# Altium PCB FPGA_Board.PcbDoc (part 1 of 3)
Units mil, origin at the board's own origin, x right, y up, seen from the top; angles counter-clockwise.
Board outline 13780 x 3880 mil, 8 copper layers (L0, L1, L2, 3,3V, GND, L3, L4, L5), stack 40.468 mil thick; 246 components, 198 nets, 1060 pads, 536 vias.
Unrouted connection lines stored in the file: 133.
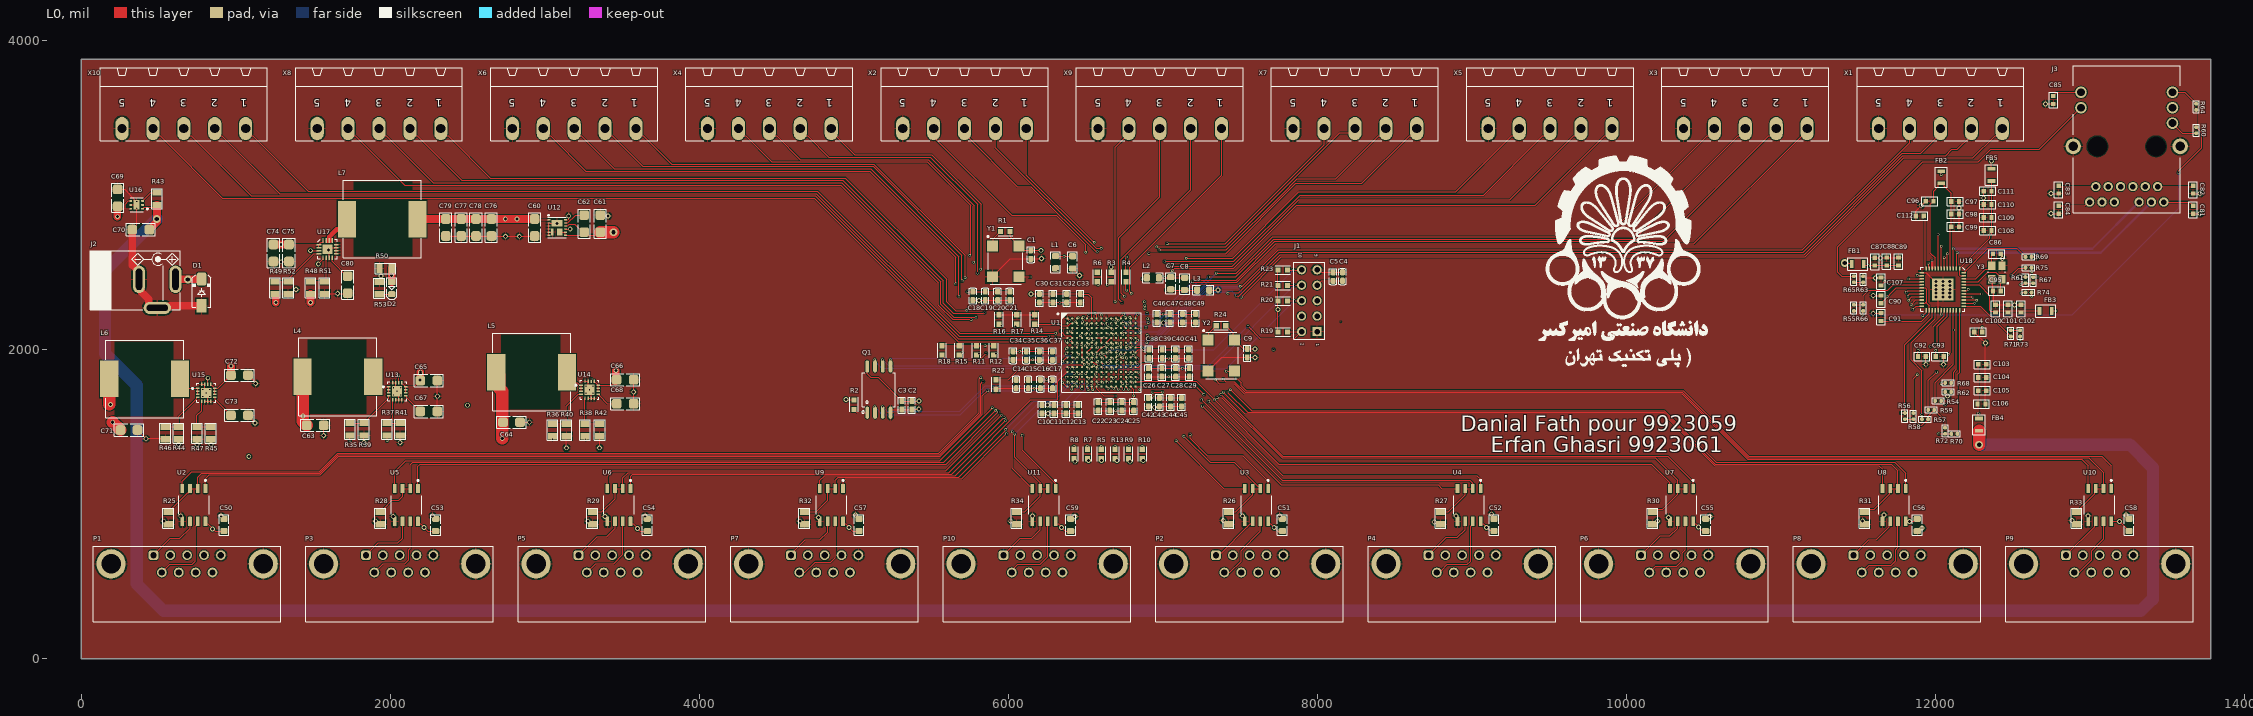
[diagram p0: L0 view]
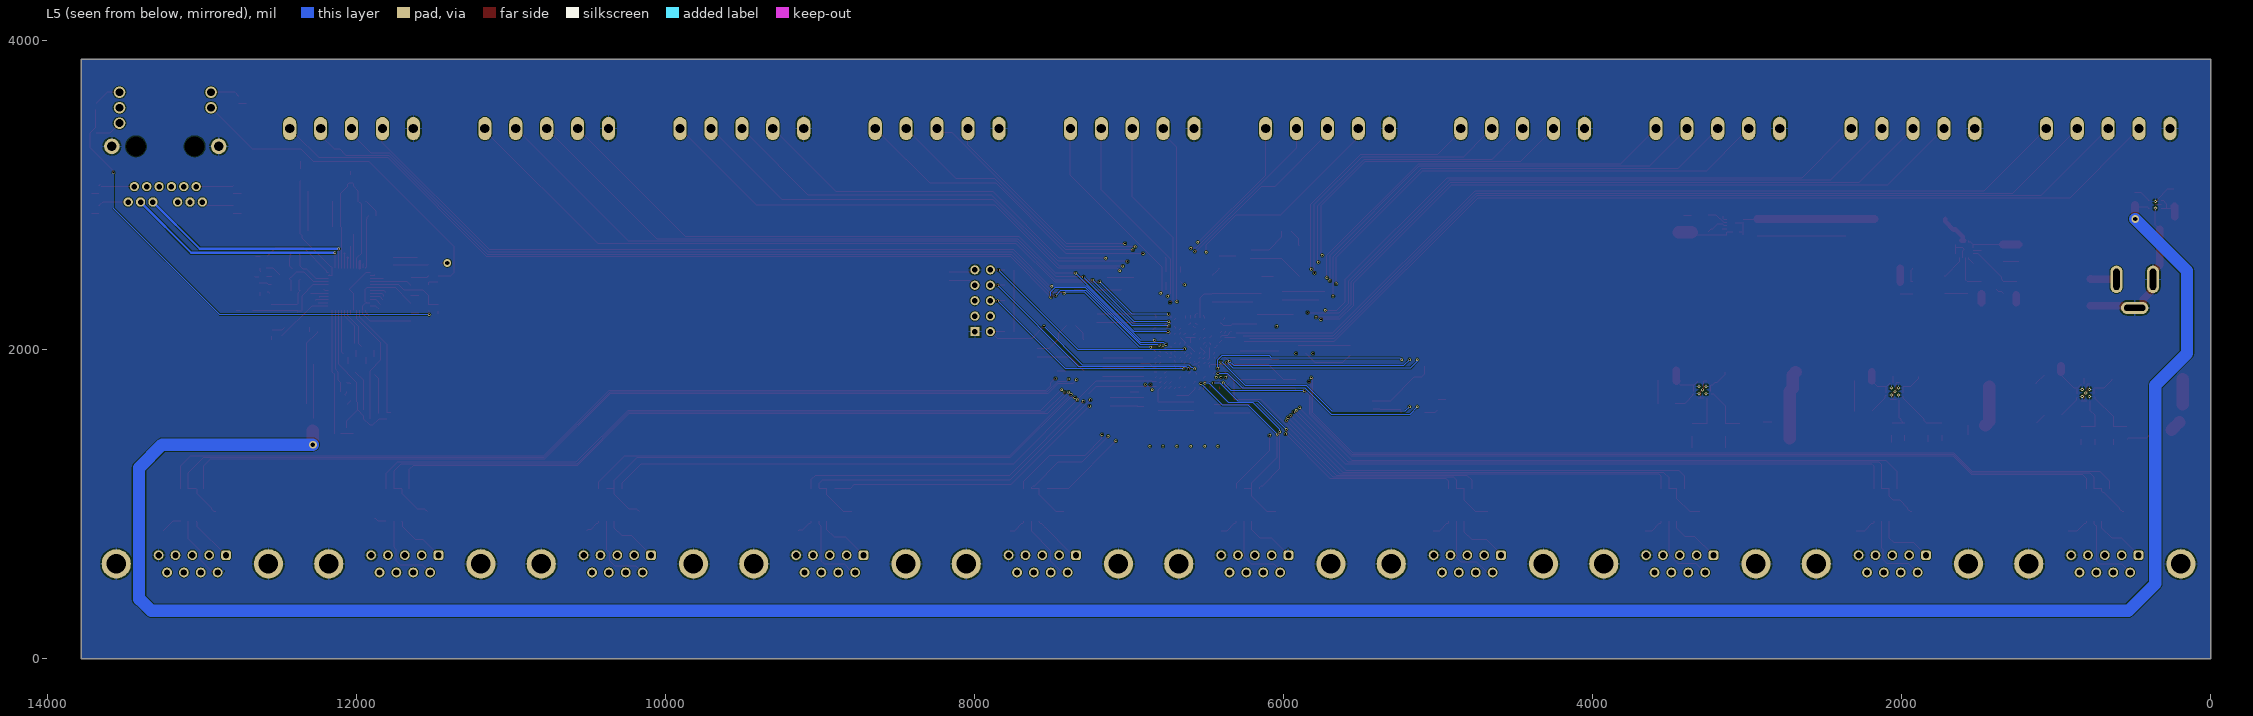
[diagram p1: L5 view, seen from below]
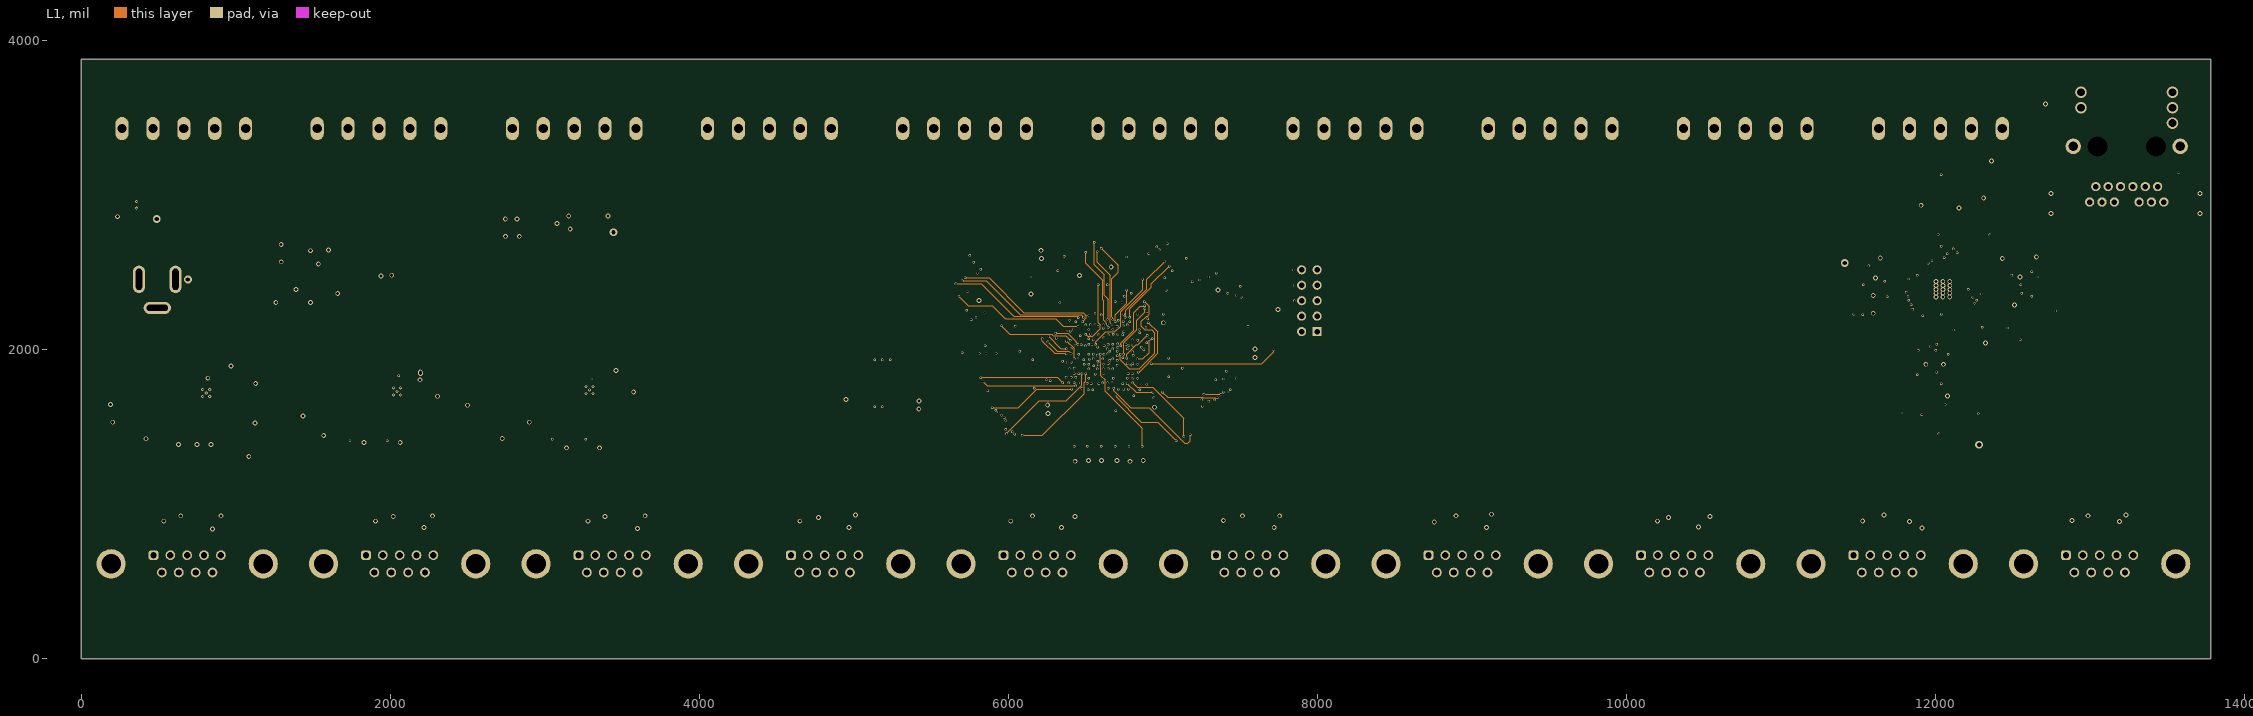
[diagram p2: L1]
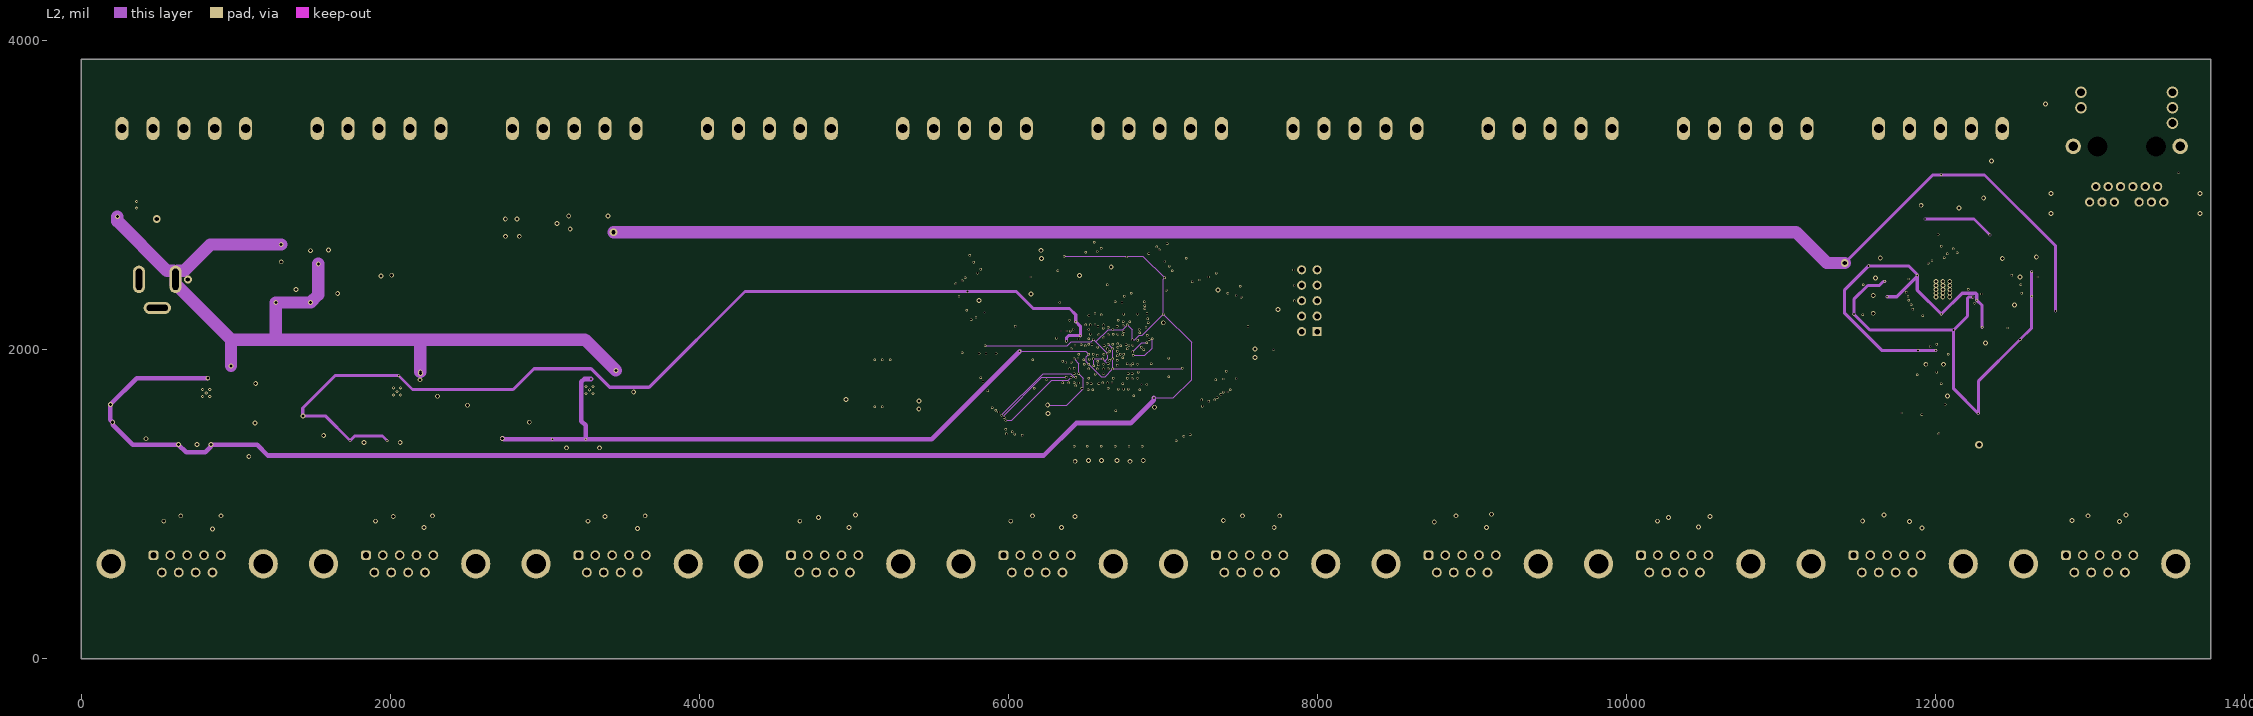
[diagram p3: L2]
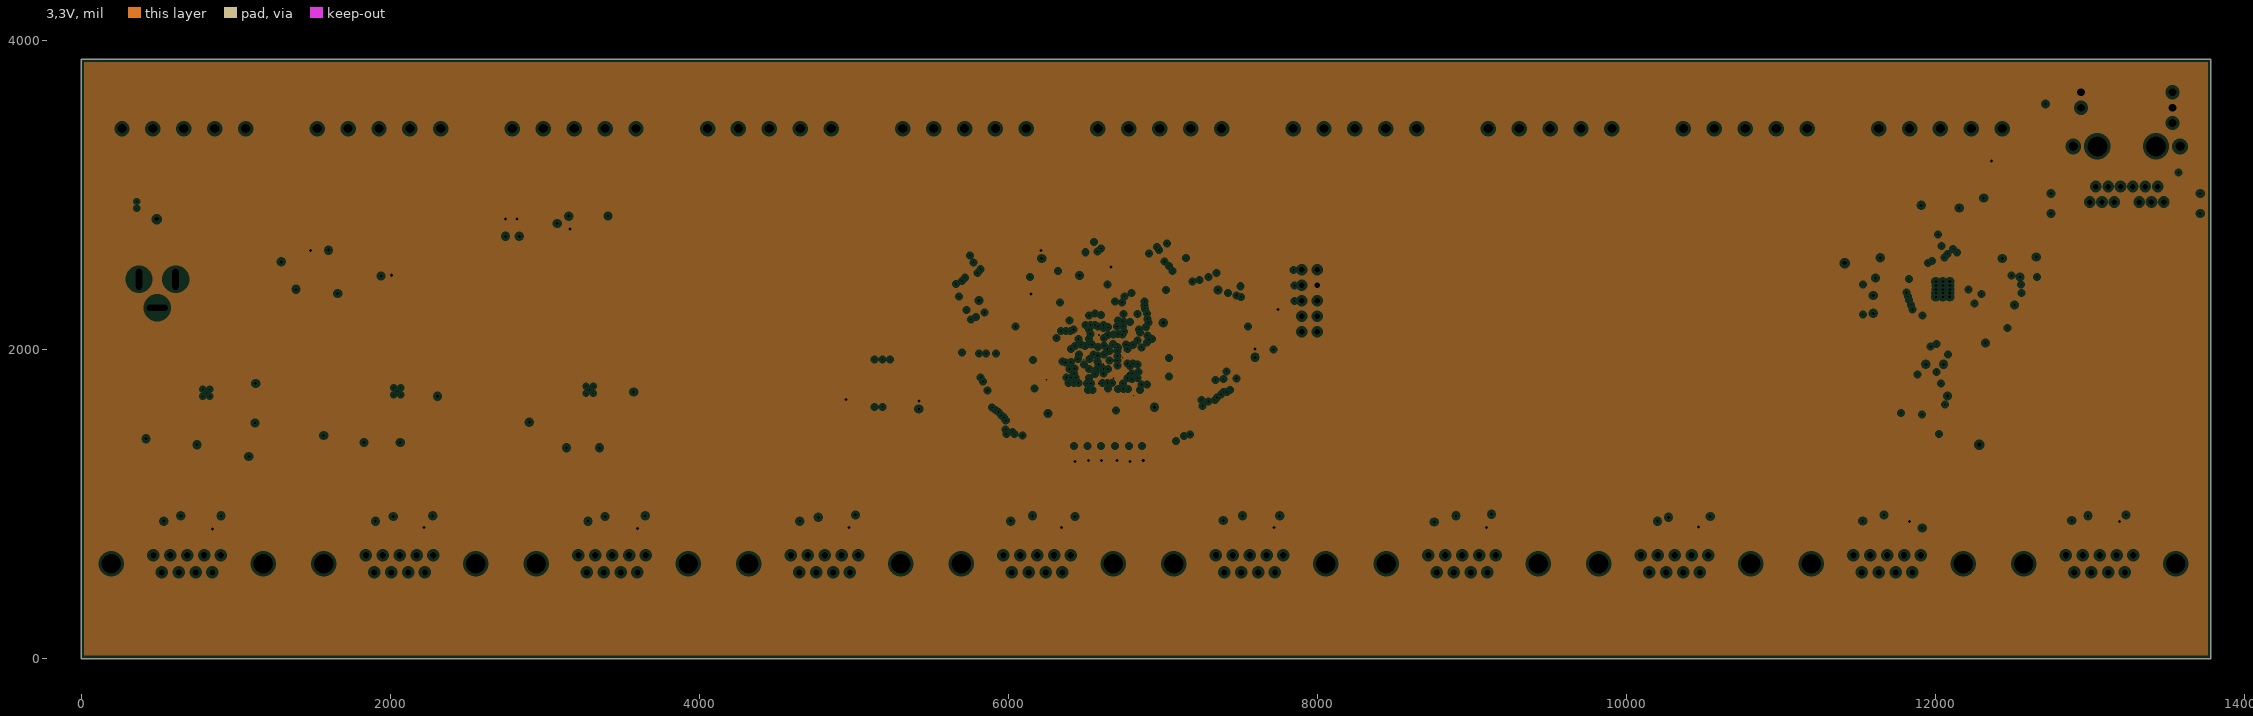
[diagram p4: 3,3V, clearances drawn from the general rule]
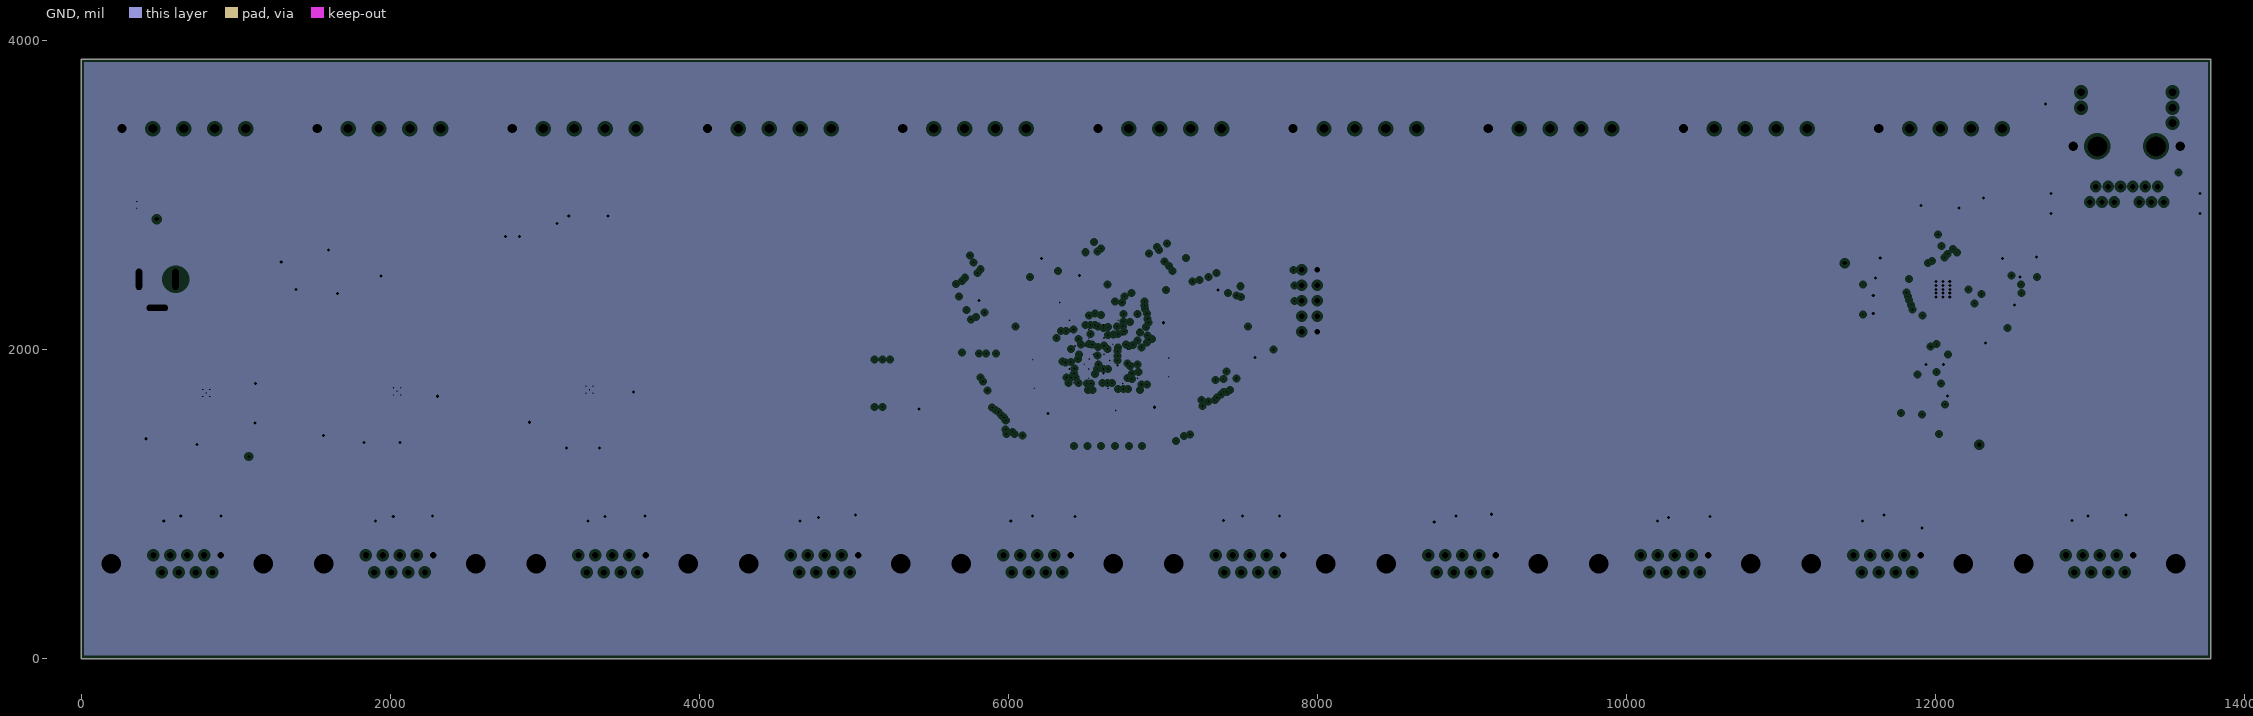
[diagram p5: GND, clearances drawn from the general rule]
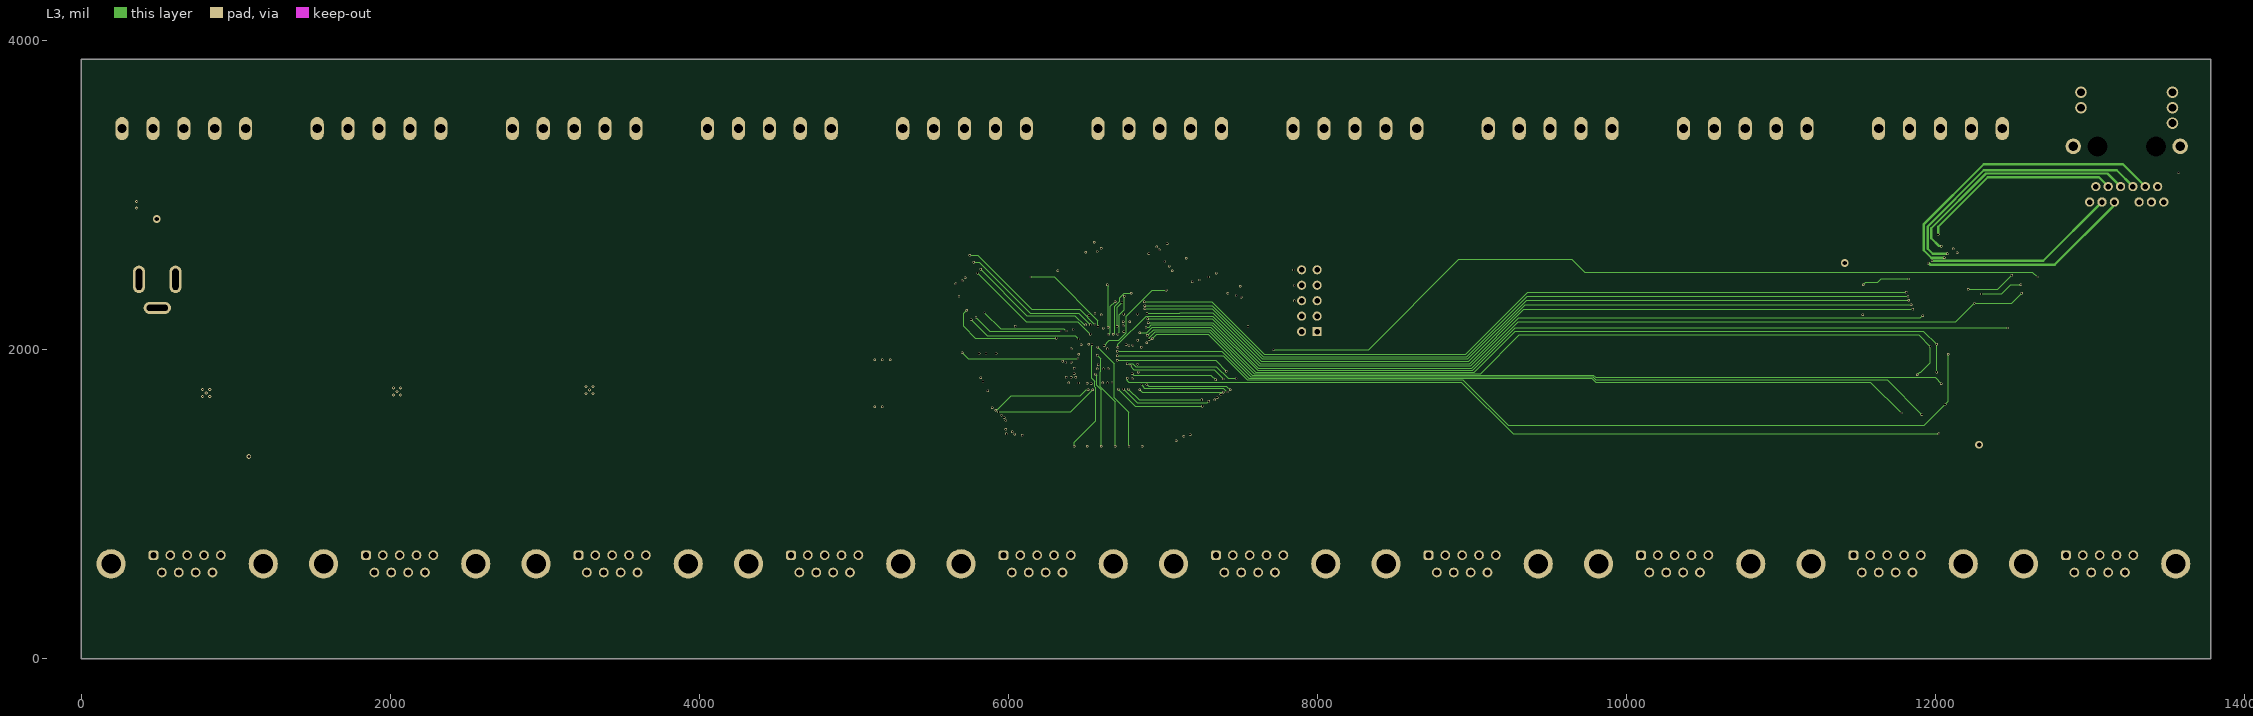
[diagram p6: L3]
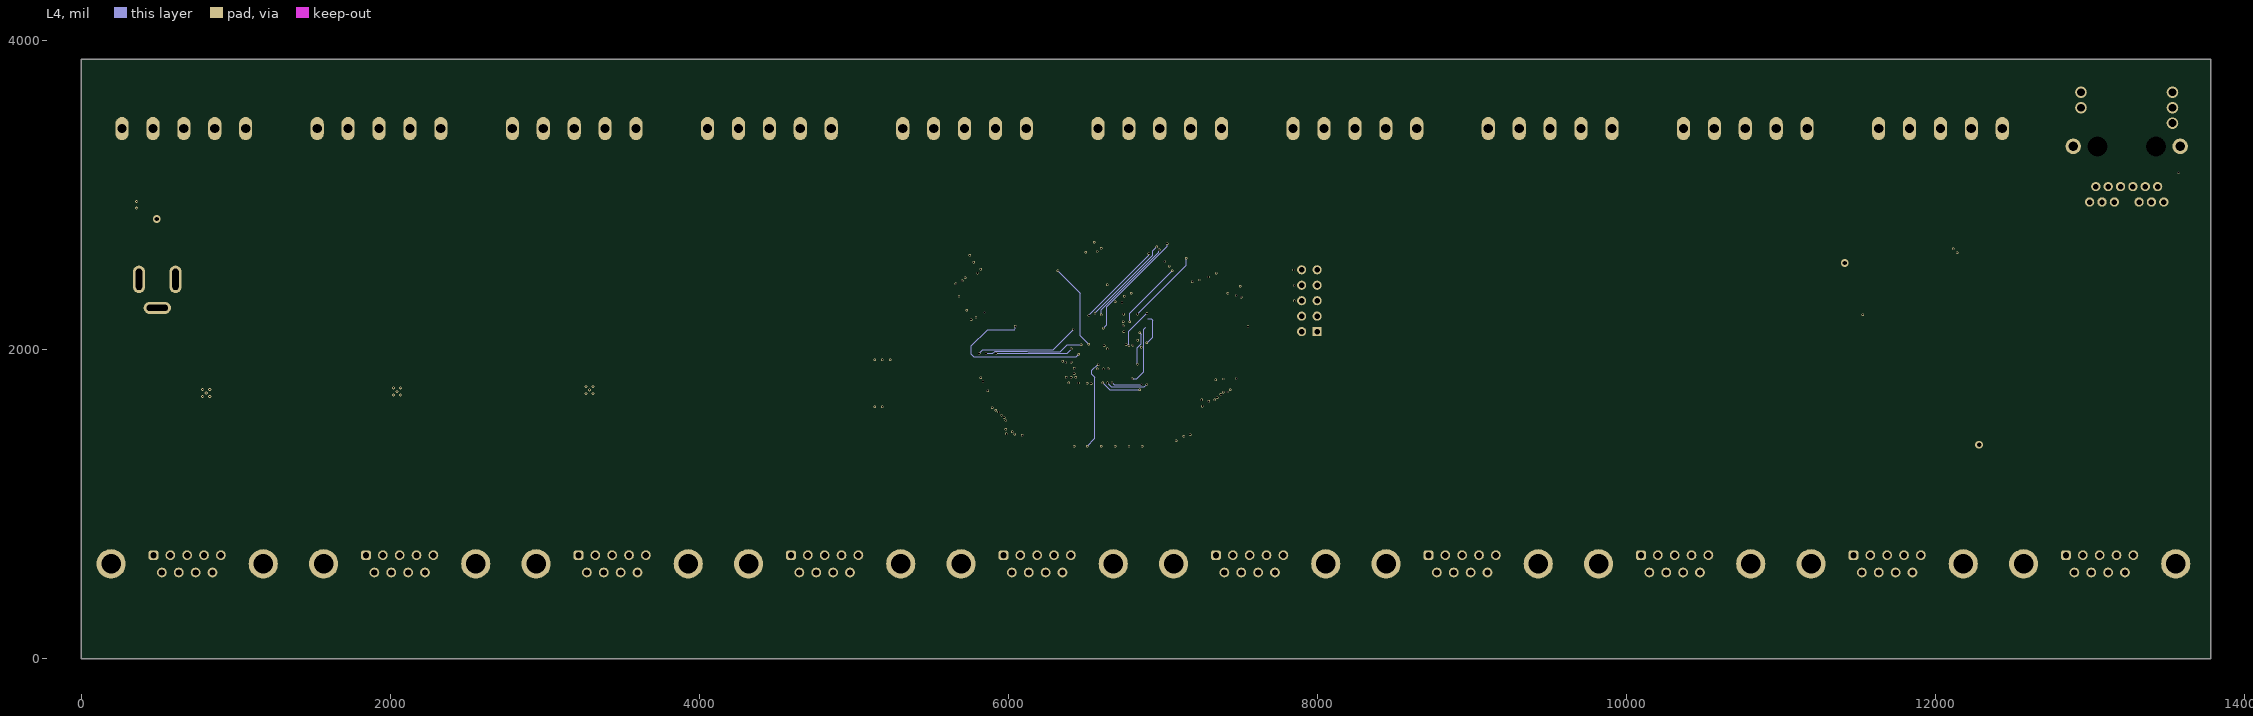
[diagram p7: L4]

## Layer stack, top to bottom
Top Solder: solder mask 0.4, Solder Resist, Dk 3.5
L0: signal copper 1.378
Dielectric 4: prepreg 2.8, PP-006, Dk 4.1
L1: signal copper 1.378
Dielectric 2: prepreg 2.8, PP-006, Dk 4.1
L2: signal copper 1.378
Dielectric 6: prepreg 2.8, PP-006, Dk 4.1
3,3V: plane copper 1.4, net 3.3V
Dielectric 1: dielectric 12.6, FR-4, Dk 4.8
GND: plane copper 1.4, net GND
Dielectric 7: prepreg 2.8, PP-006, Dk 4.1
L3: signal copper 1.378
Dielectric 3: prepreg 2.8, PP-006, Dk 4.1
L4: signal copper 1.378
Dielectric 5: prepreg 2.8, PP-006, Dk 4.1
L5: signal copper 1.378
Bottom Solder: solder mask 0.4, Solder Resist, Dk 3.5

## Board outline
0,0 13780,0 13780,3880 0,3880

## Design rules (kind name [scope] priority, off if disabled: settings)
Clearance [All] p1: gap=5 ignorepadtopadclearanceinfootprint=TRUE
DiffPairsRouting [All] p1: maxlimit=10 minlimit=10 mostfreqgap=10 toplayer_minwidth=15 toplayer_maxwidth=15 toplayer_prefwidth=15 midlayer1_minwidth=15 midlayer1_maxwidth=15 midlayer1_prefwidth=15 midlayer2_minwidth=15 midlayer2_maxwidth=15 midlayer2_prefwidth=15 midlayer3_minwidth=15 midlayer3_maxwidth=15 midlayer3_prefwidth=15 midlayer4_minwidth=15 midlayer4_maxwidth=15 midlayer4_prefwidth=15 bottomlayer_minwidth=15 bottomlayer_maxwidth=15 bottomlayer_prefwidth=15 maxuncoupledlength=500
PlaneClearance [All] p1: clearance=20
PlaneConnect [All] p1: planeconnectstyle=Relief reliefexpansion=20 reliefentries=4 reliefconductorwidth=10 reliefairgap=10
PolygonConnect [All] p1: connectstyle=Relief reliefconductorwidth=10 reliefentries=4 polygonreliefangle="90 Angle" airgapwidth=10
RoutingVias [All] p1: holewidth=15 width=25 viastyle="Through Hole" minholewidth=10 minwidth=20 maxholewidth=20 maxwidth=35
SolderMaskExpansion [All] p1: expansion=4 istentingtop=FALSE
Width [All] p1: maxlimit=80 minlimit=5 preferedwidth=10
27 further rules are at their usual default settings.

## Classes and differential pairs
net class DIFF100: TRD0_N TRD0_P TRD1_N TRD1_P TRD2_N TRD2_P TRD3_N TRD3_P
component class RS422: C50 C51 C52 C53 C54 C55 C56 C57 C58 C59 P1 P2 P3 P4 P5 P6 P7 P8 P9 P10 R25 R26 R27 R28 R29 R30 R31 R32 R33 R34 U2 U3 U4 U5 U6 U7 U8 U9 U10 U11
component class Power: C60 C61 C62 C63 C64 C65 C66 C67 C68 C69 C70 C71 C72 C73 C74 C75 C76 C77 C78 C79 C80 D1 D2 J2 L4 L5 L6 L7 R35 R36 R37 R38 R39 R40 R41 R42 R43 R44 R45 R46 R47 R48 R49 R50 R51 R52 R53 U12 U13 U14 U15 U16 U17
component class IOBlocks: X1 X2 X3 X4 X5 X6 X7 X8 X9 X10
component class FPGA: C1 C2 C3 C4 C5 C6 C7 C8 C9 C10 C11 C12 C13 C14 C15 C16 C17 C18 C19 C20 C21 C22 C23 C24 C25 C26 C27 C28 C29 C30 C31 C32 C33 C34 C35 C36 C37 C38 C39 C40 C41 C42 C43 C44 C45 C46 C47 C48 C49 J1 L1 L2 L3 Q1 R1 R2 R3 R4 R5 R6 R7 R8 R9 R10 R11 R12 R13 R14 R15 R16 R17 R18 R19 R20 R21 R22 R23 R24 U1 Y1 Y2
component class "ETHERNET PHY": C81 C82 C83 C84 C85 C86 C87 C88 C89 C90 C91 C92 C93 C94 C95 C96 C97 C98 C99 C100 C101 C102 C103 C104 C105 C106 C107 C108 C109 C110 C111 C112 FB1 FB2 FB3 FB4 FB5 J3 R54 R55 R56 R57 R58 R59 R60 R61 R62 R63 R64 R65 R66 R67 R68 R69 R70 R71 R72 R73 R74 R75 U18 Y3
differential pair TRD3: +TRD3_P -TRD3_N
differential pair TRD2: +TRD2_P -TRD2_N
differential pair TRD1: +TRD1_P -TRD1_N
differential pair TRD0: +TRD0_P -TRD0_N
